# Altium PCB POWER_SUPPLY_20-100V(Relay).PcbDoc (continued)
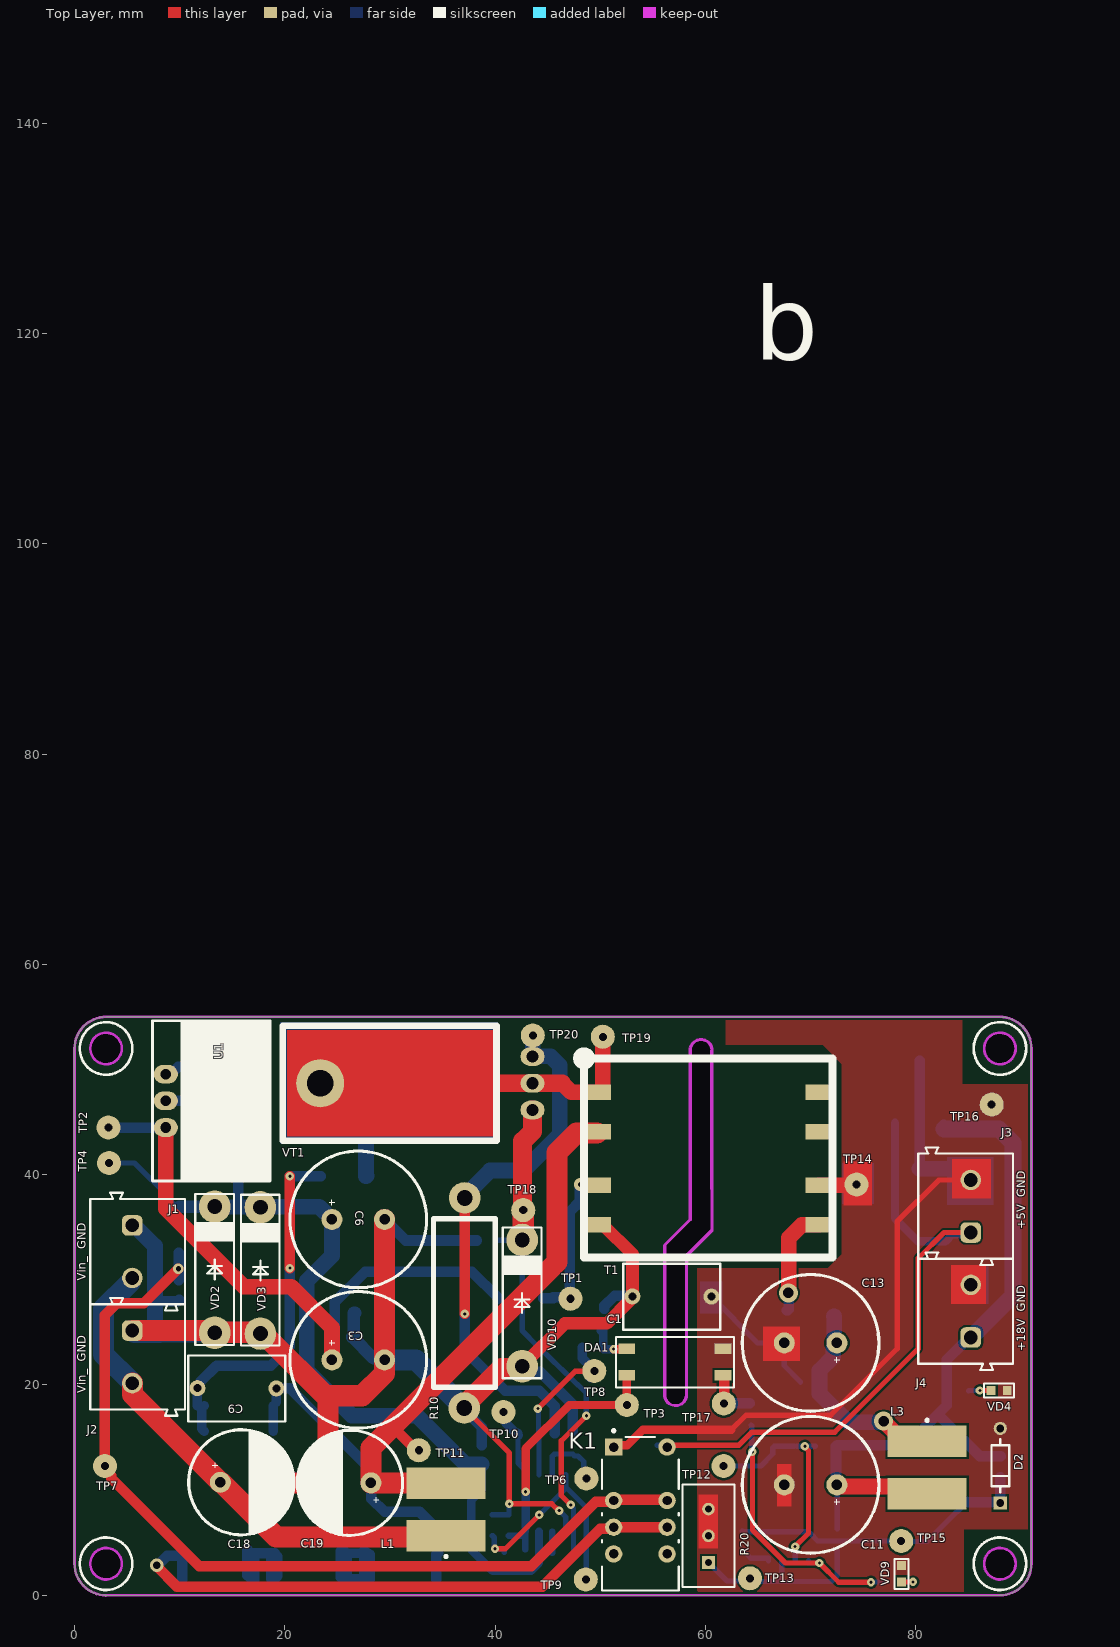
[diagram p0: Top Layer view]
## Footprints (in the part's own frame and the unit in brackets; to place one, negate y for a bottom-side part, rotate by r counter-clockwise, add the part's x,y. Pads: shape width x height; smd on the part's side, far side on the other; paste and mask are expansions set on the pad) (continued)
LED-0603 [mm]
  rect 0.85x0.9 smd: 1(-0.775,0) 2(0.775,0)
  silkscreen extent -1.43,-0.67 1.45,0.67, body extent -0.83,-0.36 0.82,0.36, height 0.68
RES-2W [mm]
  round 3 hole 1.5: 1(-9.875,0.025) 2(10.1,-0.025)
  silkscreen extent -7.9,-2.93 8.13,2.95, body extent -9.86,-2.78 10.01,2.78, height 5.59
RES-0805 [mm]
  rect 0.8x1.25 smd mask+0.015: 1(-1,0) 2(1,0)
  silkscreen extent -1.52,-0.76 1.52,0.76, body extent -1,-0.62 1,0.63, height 0.6
RES-1206 [mm]
  rect 1x1.6 smd: 1(-1.6,0) 2(1.6,0)
  silkscreen extent -2.29,-1.02 2.29,1.02, body extent -1.6,-0.8 1.6,0.8, height 0.6
RES-2512 [mm]
  rect 1.8x1.45 smd: 1(-3.275,-1.225) 1(-3.275,1.225) 2(3.275,-1.225) 2(3.275,1.225)
  silkscreen extent -4.28,-2.05 4.25,2.05, body extent -3.2,-1.6 3.2,1.6, height 0.6
SOIC8-150 [mm]
  rect 1.5x0.6 smd: 1(-2.7,1.905) 2(-2.7,0.635) 3(-2.7,-0.635) 4(-2.7,-1.905) 5(2.7,-1.905) 6(2.7,-0.635) 7(2.7,0.635) 8(2.7,1.905)
  silkscreen extent -3.65,-2.55 3.65,2.55, body extent -3,-2.45 3,2.45, height 1.75
SOT-223-3 [mm]
  rect 0.95x1.9 smd: 1(-2.3,-3.05) 2(0,-3.05) 3(2.3,-3.05)
  rect 3.25x1.9 smd: 2(0,3.05)
  silkscreen extent -3.3,-4.2 3.3,4.2, body extent -3.25,-3.5 3.25,3.5, height 1.7
Test_Point#1 [mil]
  round 90 hole 30 paste+4 mask+4: 1(0,0)
Test_Point#2 [mil]
  round 90 hole 30 unplated paste+4 mask+4: 1(0,0)
TL431_SOT-23-3(MGF) [mm]
  rect 0.9x0.8 smd paste+0 mask+0: 1(-1,0.95) 2(-1,-0.95) 3(1,0)
  silkscreen extent -0.7,-1.5 0.7,1.5, body extent -1.2,-1.45 1.2,1.45, height 1.1
TO-220(bend2) [mil]
  oval 70x90 hole 45: 1(-90,-440) 2(10,-440) 3(110,-440)
  round 180 hole 100: 2(10,355)
  Top Layer region: -190.02,-300 209.98,-300 209.98,480 -190.02,480
  Bottom Layer region: -215.02,-310 239.98,-310 239.98,505 -215.02,505
  silkscreen extent -205,-305 225,495, body extent -185,-446 208,476, height 179
TO-220_Bended_Rad [mil]
  oval 70x90 hole 40: 1(-120,-120) 2(-20,-120) 3(80,-120)
  round 110 hole 55: 2(-20,130)
  silkscreen extent -320,-170 280,270, body extent -315,-165 275,265, height 997
TRANS_RM6 [mm]
  rect 2.5x1.5 smd: 1(-10.5,6.3) 2(-10.5,2.54) 3(-10.5,-2.54) 4(-10.5,-6.3) 5(10.5,-6.3) 6(10.5,-2.54) 7(10.5,2.54) 8(10.5,6.3)
  silkscreen extent -12.51,-9.4 11.81,10.22, body extent -11,-9.08 11,9.08, height 12.68
V23079-A1001-B301 [mm]
  rect 1.65x1.65 hole 0.9 paste-1000 mask+0: 1(-6.35,-2.54)
  round 1.65 hole 0.9 paste-1000 mask+0: 2(-1.27,-2.54) 3(1.27,-2.54) 4(3.81,-2.54) 5(3.81,2.54) 6(1.27,2.54) 7(-1.27,2.54) 8(-6.35,2.54)
  silkscreen extent -8.02,-3.65 7.3,3.65, body extent -7.4,-3.75 7.4,3.75, height 0.25
WE-PD2_7850 [mm] "SMD Power Inductor, 2-Leads, body 7.8x7mm"
  rect 3x7.5 smd: 1(-2.5,0) 2(2.5,0)
  silkscreen extent -4.59,-0.13 -4.34,0.12, body extent -3.81,-3.5 3.81,3.5, height 4.95

## Part data
C2 C5 C8 C10 C12: library part CMP-1036-04552-2, "CAP CER 0.22UF 50V X7R 0805", Capacitance="0.22 μF", Manufacturer=KEMET, Manufacturer Part Number=C0805C224K5RACTU, Package=C0805C-DN, Temperature="-55°C to +125°C", Temperature Characteristic=X7R, Temperature Coefficient=30ppm/°C, Temperature Range High=+125°C, Temperature Range Low=-55°C, Tolerance=0.1, Voltage Rating="50 V", Automotive=No, Category=Cap, ComponentLink2Description=Datasheet, ComponentLink2URL=https://content.kemet.com/datasheets/KEM_C1003_C0G_SMD.pdf, Device Class L1="Passive Components", Device Class L2=Capacitors, Device Class L3="Ceramic Capacitors", Digikey Description="CAP CER 0.22UF 50V X7R 0805", Height=0.88mm, Ipc Land Pattern Name=CAPC200125X78, Lead Free=Yes, Material=Ceramic, Mouser Description="CAP CER 0.22UF 50V X7R 0805", Octopart=https://octopart.com/c0805c224k5ractu-kemet-144670, RoHS=TRUE
C3: library part CAP-POLAR, "1000uF_50V  12x25(13x26mm)"
C7 C14 C15 C16 C17: library part CAP-NON-POLAR
C11 C13: library part CAP-POLAR
D1: library part 1N4148, "Fast Switching Diode, 100 V, 0.15 A, -65 to 150 degC, 2-Pin?SOD123, RoHS, Tape and Reel", If - Forward Current=0.15A, Ir - Reverse Current=1uA, Manufacturer=DiodesIncorporated, Max Surge Current=2A, Maximum Operating Temperature=+150C, Minimum Operating Temperature=-65C, Operating Temperature Range=-65Cto+150C, Package / Case=SOD-123, Package Reference=SOD123-2, Peak Reverse Voltage=100V, Vf - Forward Voltage=1.25V, Brand=DiodesIncorporated, Configuration=Single, Datasheet URL=http://www.farnell.com/datasheets/1915529.pdf, Datasheet Version="Rev. 24-2, 10/2013", Factory Pack Quantity=3000, Height=1.25mm, Length=2.85mm, Manufacturer URL=http://www.diodes.com/, Mounting Style=SMD/SMT, Package URL=http://www.diodes.com/datasheets/ds18004.pdf, Packaging=Reel, Product=SwitchingDiodes, Product Category=Diodes-GeneralPurpose,Power,Switching, Recovery Time=4ns, RoHS=True, Series=1N4148, Type=SwitchingDiode, Unit Weight=0.000353oz, Width=1.7mm
D2: library part CMP-02541-000026-1, "DIODE ZENER 8.2V 500MW DO35", Case/Package=DO-35, Max Operating Temperature=175°C, Max Power Dissipation=500mW, Max Reverse Leakage Current=100nA, Min Operating Temperature=-65°C, Package Quantity=30000, Test Current=5mA, Tolerance=2%, Zener Voltage=8.2V, Contact Plating=Tin, Element Configuration=Single, ESD Protection=No, Impedance=7R, Lead Free="Lead Free", Mount="Through Hole", Number of Pins=2, Packaging="Ammo Pack", Power Dissipation=500mW, Radiation Hardening=No, RoHS Compliant=Yes, Series="Automotive, AEC-Q101", Voltage Tolerance=2%
J1 J2 J3 J4: "WR-TBL Series 101 Horizontal Entry Modular, THT, pitch 5mm, 2p", Manufacturer="Wurth Elektronik", Operating Temperature Max=105°C, Operating Temperature Min=-40°C, Rated Current=16A, Working Voltage=250V, Application="Pressure Clamp", Category="Terminal Blocks", ComponentLink1Description="Website Link", ComponentLink1URL=https://www.we-online.com/redexpert/article/691101710002?ad, ComponentLink2Description="Datasheet Link", ComponentLink2URL=https://www.we-online.com/redexpert/spec/691101710002?ad, Manufacturer Part Number=691101710002, Match Code=WR-TBL, Modularity=Yes, Mount="Through Hole", Number of Pins=2, Number of Rows=1, Orientation=Horizontal, Packaging=Box, Pitch=5mm
L1 L3: library part 744775247, "WE-PD2 SMT Power Inductor, size 7850, 470µH, 0.36A, 1.96Ω", Case/Size Code=7850, DC Resistance=1.37Ω, DC Resistance Max=1.96Ω, Inductance=470µH, Manufacturer="Wurth Elektronik", Operating Temperature Max=125°C, Operating Temperature Min=-40°C, Rated Current=0.36A, Saturation Current=0.38A, Self Resonant Frequency=3.4MHz, Category="Unshielded Power Inductors", ComponentLink1Description="Website Link", ComponentLink1URL=https://www.we-online.com/redexpert/article/744775247?ad, ComponentLink2Description="Datasheet Link", ComponentLink2URL=https://www.we-online.com/redexpert/spec/744775247?ad, Height=4.95mm, Length=7.8mm, Manufacturer Part Number=744775247, Match Code=WE-PD2, Mount="Surface Mount", Packaging="Tape and Reel", Width=7mm
R1 R2 R4 R5 R6 R7 R8 R9 R10 R11 R12 R15 R17 R18 R19 R23 R24: library part RES-CONST
R3 R21 R22: library part RES-CONST, "1K"
RG1: "REG IC REG LINEAR 5V 1A TO220AB", Current-Output=1A, Digikey Part Number=LM7805CT-ND, Manufacturer=Fairchild, Mouser Part Number=512-LM7805CT, Package=TO220, Temperature="-40°C to +125°C", Temperature Range High=+125°C, Temperature Range Low=-40°C, Voltage - Input (Max)=35V, Voltage - Output=5V, Voltage Dropout (Max)="2V @ 1A (Typ)", ComponentLink1Description=Upverter, ComponentLink1URL=https://upverter.com/upn/revision/b27a7358b7dd93a3/, ComponentLink2Description=Datasheet, ComponentLink2URL=https://www.fairchildsemi.com/datasheets/LM/LM7805.pdf, Digikey Description="REG IC REG LINEAR 5V 1A TO220AB", helpURL=https://upverter.com/upn/revision/b27a7358b7dd93a3/, Ipc Land Pattern Name=TO-220, Lead Free=yes, Part Number=LM7805CT, Price=0.384521982769, RoHS=TRUE, Supplier 1=Digi-Key, Supplier 2=Mouser, Supplier Part Number 1=LM7805CT-ND, Supplier Part Number 2=512-LM7805CT
T1: library part Trans_RM6
TP1 TP2 TP3 TP4 TP6 TP7 TP8 TP9 TP10 TP11 TP12 TP13 TP14 TP15 TP16 TP17 TP18 TP19 TP20: library part TP_PCB?, "Test_Point"
U2: library part CMP-1310-00291-2, "IC OPAMP GP 2 CIRCUIT 8SOIC", Case/Package=SOIC, Dual Supply Voltage=9V, Input Bias Current=250nA, Input Offset Voltage (Vos)=7mV, Max Dual Supply Voltage=16V, Max Operating Temperature=70°C, Max Supply Voltage=32V, Min Dual Supply Voltage=1.5V, Min Operating Temperature=0°C, Min Supply Voltage=3V, Nominal Supply Current=1.2mA, Operating Supply Current=1.5mA, Output Current=40mA, Package Quantity=2500, Power Supply Rejection Ratio (PSRR)=65dB, Voltage Gain=100dB, Bandwidth=1MHz, Common Mode Rejection Ratio=65dB, Contact Plating=Tin, Gain Bandwidth Product=1MHz, Halogen Free="Halogen Free", Height=1.5mm, Lead Free="Lead Free", Length=5mm, Number of Amplifiers=2, Number of Channels=2, Number of Circuits=2, Number of Elements=2, Number of Pins=8, Operating Supply Voltage=16V, Output Current per Channel=40mA, Packaging="Tape and Reel", Radiation Hardening=No, REACH SVHC="No SVHC", Slew Rate=0.6V/µs, Width=4mm
U3: library part TL431_SOT-23-3, "TL431_SOT-23-3"
VD10: library part ZENER

## Via types
v1: diameter 0.8, hole 0.3, Top Layer to Bottom Layer, tented both sides, 19 vias
v2: diameter 1.8, hole 1, Top Layer to Bottom Layer, tented both sides, 2 vias
v3: diameter 1.27, hole 0.711, Top Layer to Bottom Layer, tented both sides, 1 vias
v4: diameter 1.2, hole 0.5, Top Layer to Bottom Layer, tented both sides, 1 vias
v5: diameter 1, hole 0.5, Top Layer to Bottom Layer, tented both sides, 1 vias

## Nets (pads, with @x,y where several pads share a name; then routed paths per layer and width w, separated by ;. In a path a pad name is that pad's centre, name@x,y a point inside that pad or via, vN(x,y) a via of type N, cw(c..) or ccw(c..) an arc to the next point about the centre after c; other vN are vias at no path point)
+20V: C11.1 C17.2 J4.1 L3.2 R18.1 R19.2 R21.2 R22.2 RG1.1 | length 71.4
  Top Layer w1.5: C11.1 72.596,10.404 72.949,10.404 73.006,10.348 80.396,10.348 L3.2
  Bottom Layer w0.5: R21.2@72.542,6.314 C11.1@72.542,10.458
  Bottom Layer w1: C11.1@72.415,10.5 R19.2@72.415,14.173 ; R19.2 72.542,14.269 79.141,14.269 82.093,17.221 ; RG1.1 82.666,44.353 RG1.1@82.691,44.328 ; R18.1@82.956,19.331 82.956,18.085 82.093,17.221 ; R18.1@82.956,19.581 82.956,22.382 84.614,24.04 84.759,24.04 J4.1 ; R22.2 86.071,13.243 82.093,17.221
  Bottom Layer w1.6: RG1.1@82.691,44.328 87.93,44.328 89.234,43.023 89.234,28.515 J4.1
+100V: C9.2 C19.1 L1.2 R8.2 R17.1 T1.2 TP11.1 | length 85.9
  Top Layer w1: 30.257,16.027 32.492,13.792 TP11.1 ; L1.2@32.073,10.693 34.227,10.693 L1.2@35.276,9.644 ; T1.2@49.68,43.975 T1.2
  Top Layer w2: L1.2@32.073,10.693 C19.1 28.194,14.013 45.872,31.691 45.872,42.113 47.734,43.975 T1.2@49.68,43.975
  Bottom Layer w0.3: R17.1@18.896,18.04 R17.1@19.193,18.337
  Bottom Layer w0.9: R17.1@18.896,15.59 R17.1@18.896,18.04 ; R17.1@19.193,18.337 C9.2
  Bottom Layer w1: C9.2 20.472,19.669 28.053,12.088 28.053,10.834 28.225,10.662 28.225,9.189 29.489,7.925 32.808,7.925 34.527,6.206 R8.2@34.527,4.029 ; R8.2@34.419,1.504 34.419,3.879 R8.2@34.569,4.029
GND: C1.1 C2.2 C3.2 C5.2 C6.2 C7.1 C8.2 C14.1 C16.1 C18.2 C19.2 DA2.5 J1.1 J2.1 R1.1 R3.2 R9.2 R10.1 T1.4 VD2.2 VD3.2 VD10.2 | length 182.1
  Top Layer w0.5: R10.1 41.351,13.519 v1(41.351,8.694) 45.381,8.694 46.02,8.055 v1(46.101,8.055)
  Top Layer w1.2: R10.1 R10.1@37.059,17.984 ; VD10.2 46.638,25.855 50.62,25.855 52.899,28.134 52.899,28.173 53.061,28.335 C1.1 53.061,32.443 50.274,35.229 T1.4
  Top Layer w2: J2.1 13.126,25.171 VD2.2 VD2.2@13.373,24.924 ; VD2.2@13.385,25.013 VD3.2@17.552,25.013 ; VD3.2 17.899,24.886 18.449,24.336 18.513,24.336 23.876,18.974 ; C18.2 17.919,10.693 C19.2 24.105,10.783 24.105,18.46 ; 24.14,18.709 23.876,18.974 ; C6.2 C3.2 29.486,21.104 27.356,18.974 23.876,18.974 ; R10.1@37.059,17.984 40.622,21.546 42.329,21.546 VD10.2
  Bottom Layer w0.5: R10.1@37.059,17.627 R10.1 ; C16.1 39.728,7.657 41.298,7.657 C14.1 41.326,7.685 41.326,8.668 v1(41.351,8.694) ; VD10.2 VD10.2@43.099,21.259 ; v1(46.101,8.055) 46.711,7.445 DA2.5@46.711,6.218
  Bottom Layer w1: J2.1 5.86,25.171 5.975,25.286 7.171,25.286 7.645,25.761 ; 7.645,27.94 9.842,27.94 C8.2 ; VD3.2@17.536,25.029 VD3.2 ; C6.2 31.486,33.738 R9.2 ; R10.1@37.059,17.627 38.71,15.977 C5.2 ; VD10.2@43.099,21.259 44.267,21.259 47.403,18.124 C7.1@47.403,15.506 ; R3.2@50.399,27.262 50.399,27.541 51.357,28.499 52.984,28.499 C1.1
  Bottom Layer w1.2: R1.1 26.579,26.848 26.554,26.823 26.554,24.713 C2.2 26.428,24.561 28.452,22.537 29.333,22.537 C3.2
  Bottom Layer w1.5: J1.1 5.725,34.95 5.901,34.95 7.645,33.206 7.645,27.94 7.645,25.761
  Bottom Layer w2: J2.1 5.693,24.978 8.103,24.978 ; 8.052,25.029 13.335,25.029 VD3.2@17.536,25.029 ; C18.2 24.143,10.744 C19.2 ; C3.2 32.486,22.384 R10.1
GND_1: C1.2 C4.2 C10.2 C11.2 C12.2 C13.2 C17.1 C20.2 D1.2 D2.2 DA1.2 J3.2 J4.2 K1.1 R20.2 R20.3 RG1.2 T1.6 TP14.1 TP16.1 U2.4 U3.3 VD4.1 VD9.1 | length 87.8
  Top Layer w0.5: 62.481,15.748 63.853,17.12 71.907,17.12 78.232,23.444 78.232,35.535 82.194,39.497 J3.2
  Top Layer w0.8: K1.1@51.257,14.276 52.576,14.276 54.048,15.748 62.481,15.748
  Top Layer w1.5: T1.6 TP14.1@74.295,38.989
  Bottom Layer w0.5: K1.1@51.257,14.276 51.278,14.256 D1.2 ; C1.2 64.958,24 C13.2 67.5,21.846 69.051,20.295 C10.2 ; C12.2 63.517,4.317 64.305,3.529 65.969,3.529 65.989,3.509 U2.4 ; 83.858,40.559 84.921,39.497 J3.2
  Bottom Layer w1: C4.2 RG1.2@80.366,50.853
  Bottom Layer w1.5: C4.2 83.858,40.559
NetC2_1: C2.1 C3.1 R1.2 TP2.1 U1.3 VD1.1 | length 60.1
  Top Layer w1.5: U1.3 8.687,36.779 16.129,29.337 20.599,29.337 24.486,25.451 C3.1
  Bottom Layer w1: TP2.1 U1.3 ; C3.1 24.556,22.454 24.556,24.517 C2.1 24.727,24.688 24.727,26.848 24.727,27.86 27.652,30.785 37.78,30.785 40.242,28.323 VD1.1@40.242,28.211
NetC4_1: C4.1 D1.1 J3.1 K1.8 RG1.3 | length 60.8
  Top Layer w0.5: K1.8@56.337,14.276 63.187,14.276 64.424,15.513 72.293,15.513 80.234,23.455 80.234,32.052 82.679,34.497 J3.1
  Bottom Layer w0.5: D1.1 55.408,14.266 56.327,14.266 K1.8@56.337,14.276
  Bottom Layer w0.8: RG1.3@78.029,44.925 78.029,35.846 80.216,33.659 C4.1 82.817,33.659 83.509,34.352 85.089,34.352 J3.1
NetC5_1: C5.1 C6.1 DA2.7 TP4.1 VD2.1 VD3.1 VD5.1 VD7.1 | length 81.4
  Bottom Layer w0.5: TP4.1 5.715,41.097 9.006,37.806 9.006,37.638 9.681,36.963 VD5.1@9.85,36.963 ; VD5.1 VD5.1@9.981,36.963 ; C5.1@38.71,12.434 C5.1@38.735,12.46
  Bottom Layer w0.8: C5.1@38.71,12.434 38.71,9.997 37.719,9.007 37.719,4.364 39.76,2.323 43.411,2.323 44.171,3.083 DA2.7
  Bottom Layer w1: VD2.1 VD2.1@14.636,36.963 ; VD7.1@15.037,39.735 VD7.1@15.07,39.735 ; VD7.1@15.07,39.887 15.57,39.387 15.57,36.925 ; VD3.1@17.634,36.931 VD3.1
  Bottom Layer w1.2: VD5.1@9.981,36.963 VD2.1
  Bottom Layer w1.4: VD2.1@14.636,36.925 15.57,36.925 ; 15.57,36.931 VD3.1@17.634,36.931
  Bottom Layer w1.5: VD3.1@17.735,36.943 23.28,36.943 C6.1 24.486,32.286 22.094,29.894 22.094,21.366 26.388,17.071 32.574,17.071 37.186,12.46 C5.1@38.735,12.46
NetC7_2: C7.2 DA2.3 R7.1 TP6.1 | length 6.7
  Bottom Layer w0.5: DA2.3 45.441,13.256 45.591,13.406 R7.1 45.707,13.444 C7.2@47.396,13.444 ; C7.2 47.546,13.256 47.881,13.256 48.435,12.703 48.435,11.31 TP6.1@48.569,11.176
NetC8_1: C8.1 K1.2 K1.7 TP7.1 VD5.2 | length 86.2
  Top Layer w1: v5(9.881,31.043) 6.6,27.762 4.039,27.762 2.896,26.619 2.896,11.946 3.485,11.356 3.485,11.145 11.879,2.751 43.441,2.751 49.58,8.89 51.151,8.89 K1.2 ; K1.2@51.308,9.071 K1.7@56.388,9.071
  Bottom Layer w0.5: C8.1@9.906,29.958 C8.1
  Bottom Layer w1: C8.1@9.906,29.958 VD5.2
NetC9_1: C9.1 R17.2 VD6.1 | length 33.3
  Top Layer w1: v1(20.486,31.115) v1(20.486,39.853)
  Bottom Layer w0.9: R17.2@11.693,18.04 C9.1 ; R17.2@12.346,15.59 12.116,15.82 12.116,17.81 R17.2@12.346,18.04
  Bottom Layer w1: C9.1@12.026,20.357 13.506,21.838 18.663,21.838 20.486,23.661 v1(20.486,31.115) ; v1(20.486,39.853) VD6.1
NetC10_1: C10.1 C13.1 L3.1 VD8.1 | length 20.1
  Top Layer w1.5: v2(76.937,16.555) 76.938,16.555 78.827,14.667 L3.1
  Bottom Layer w1.5: VD8.1 72.238,26.533 C13.1@72.238,23.597 ; C13.1@72.248,23.571 72.153,23.476 72.153,22.674 70.855,21.375 70.855,20.272 C10.1 70.855,20.267 70.855,19.175 73.571,16.459 76.841,16.459 v2(76.937,16.555)
NetC12_1: C12.1 C20.1 D2.1 R22.1 TP15.1 U2.8 | length 30.9
  Bottom Layer w0.5: C12.1 63.565,6.045 69.799,6.045 ; U2.8 69.799,6.045 ; C20.1@84.708,8.769 84.708,8.692 83.931,7.915 83.887,7.915 81.077,5.105 78.667,5.105 TP15.1 70.685,5.159 69.974,5.871 69.799,6.045 ; D2.1 D2.1@88.055,8.788 ; R22.1@88.055,11.224 R22.1
  Bottom Layer w1: C20.1 84.854,8.842 87.963,8.842 D2.1 ; D2.1@88.055,8.788 R22.1@88.055,11.224
NetC14_2: C14.2 DA1.4 DA2.8 R5.2 TP3.1 | length 25.2
  Top Layer w0.8: v1(42.901,9.844) 42.901,13.945 47.054,18.098 TP3.1 DA1.4
  Bottom Layer w0.5: DA2.8 DA2.8@42.913,6.08
  Bottom Layer w0.6: C14.2 DA2.8@42.783,5.659 ; R5.2@42.863,4.362 42.863,5.659 DA2.8@42.863,6.03 ; DA2.8@42.901,6.456 42.913,6.443 DA2.8@42.913,6.08
  Bottom Layer w0.8: DA2.8@42.901,6.456 v1(42.901,9.844)
NetC15_1: C15.1 DA2.2 R4.2 R6.2 TP8.1 | length 15.5
  Top Layer w0.5: v1(44.07,17.75) 47.631,21.311 TP8.1@48.971,21.311
  Bottom Layer w0.5: v1(44.07,17.75) 44.125,17.696 44.125,15.269 R6.2 ; DA2.2 44.175,11.472 44.175,13.644 R6.2@44.175,15.214
  Bottom Layer w0.9: R4.2 48.274,22.556 49.009,21.822 49.009,21.704 TP8.1@48.793,21.488
  Bottom Layer w1: TP8.1@49.428,20.999 TP8.1
NetC15_2: C15.2 DA2.1 R6.1 TP10.1 | length 6.8
  Bottom Layer w0.5: R6.1 C15.2 C15.2@42.217,13.607 ; DA2.1@42.846,11.967 42.851,11.967 42.901,11.917 DA2.1
  Bottom Layer w0.6: C15.2@42.217,13.607 42.217,12.596 DA2.1@42.846,11.967
  Bottom Layer w0.9: TP10.1@40.488,16.907 40.938,16.907 41.058,16.788 41.058,16.337 42.005,15.389 42.13,15.389 42.13,15.264 R6.1
NetC16_2: C16.2 DA2.4 R5.1 TP9.1 | length 22.6
  Top Layer w0.5: v1(39.984,4.42) 40.971,4.42 v1(44.196,7.644)
  Bottom Layer w0.5: C16.2 39.777,5.655 39.927,5.505 39.927,4.477 v1(39.984,4.42) 40.042,4.362 40.713,4.362 40.863,4.212 R5.1 ; v1(44.196,7.644) 46.711,10.159 DA2.4 ; 46.711,10.282 48.674,8.319 TP9.1@48.674,1.392
NetC18_1: C18.1 J1.2 J2.2 L1.1 | length 47.9
  Top Layer w2: J2.2 5.5,19.113 C18.1 ; C18.1@13.979,10.744 19.186,5.537 L1.1@34.527,5.537
  Bottom Layer w1.5: J1.2@5.275,29.758 5.275,29.828 5.5,30.053 J1.2
  Bottom Layer w2: J1.2@5.275,29.758 2.769,27.252 2.769,22.903 J2.2
NetDA1_1: DA1.1 R24.1 TP17.1 | length 5.2
  Top Layer w1: DA1.1 61.798,20.904 TP17.1@61.798,18.287
  Bottom Layer w1: TP17.1@61.774,18.263 R24.1@64.213,18.263
NetDA1_3: DA1.3 R3.1 R4.1 | length 4.5
  Top Layer w0.8: v1(51.257,23.409) 52.626,23.409 DA1.3@52.688,23.471
  Bottom Layer w0.8: R3.1@50.049,25.162 R3.1 R4.1 ; R4.1@50.274,23.721 50.274,23.409 v1(51.257,23.409)
NetDA2_6: DA2.6 R15.1 | length 2
  Bottom Layer w0.6: R15.1 45.441,4.354 DA2.6
NetK1_3: K1.3 K1.6 R12.1 | length 57.8
  Top Layer w0.3: v3@7.823,2.751 v3(7.823,2.845)
  Top Layer w1: v3@7.823,2.751 9.749,0.825 44.485,0.825 50.006,6.346 50.688,6.346 50.691,6.35 51.162,6.35 K1.3@51.283,6.47 ; K1.3@51.369,6.47 K1.6@56.327,6.47
  Bottom Layer w0.3: v3(7.823,2.845) v3@7.927,2.845 ; R12.1@9.667,3.401 R12.1@10.242,3.976
  Bottom Layer w1: v3@7.927,2.845 7.927,2.876 7.948,2.896 7.979,2.896 8.834,3.751 10.017,3.751 R12.1@10.222,3.956 ; R12.1@10.242,1.526 R12.1@10.242,3.976
NetR2_1: R2.1 U1.1 | length 3
  Bottom Layer w1: U1.1 9.162,49.555 9.873,50.266 R2.1
NetR2_2: R2.2 U1.2 VD7.2 | length 9.5
  Bottom Layer w1: U1.2@8.687,47.015 R2.2@11.252,47.015 ; R2.2@11.252,47.092 11.354,46.99 U1.2@15.011,46.99 ; U1.2@15.037,47.015 15.239,46.813 15.239,44.239 VD7.2
NetR7_2: R7.2 R10.2 TP20.1 VT1.3 | length 51
  Top Layer w1: v1(37.109,26.756) R10.2
  Bottom Layer w1: v1(37.109,26.756) 37.109,23.303 40.981,19.431 44.196,19.431 45.669,17.958 R7.2
  Bottom Layer w1.5: R10.2 37.109,37.973 39.522,40.386 42.735,40.386 46.152,43.803 46.152,50.376 45.273,51.255 43.58,51.255 VT1.3@43.568,51.243 ; VT1.3 VT1.3@43.568,51.243 ; TP20.1 43.568,53.227 VT1.3@43.568,51.243
NetR8_1: R8.1 R11.2 | length 17
  Bottom Layer w0.3: R8.1@28.116,1.467 R8.1@28.169,1.52 ; R8.1@28.116,3.917 R8.1@28.169,3.97
  Bottom Layer w0.9: R11.2@25.58,1.526 25.607,1.553 27.843,1.553 R8.1@27.869,1.579 ; R11.2@25.58,3.976 25.607,4.003 27.843,4.003 R8.1@27.869,4.029 ; R8.1@28.116,1.467 R8.1@28.116,3.917
  Bottom Layer w1: R11.2@25.301,1.714 R11.2@25.301,4.164 ; R11.2@25.633,1.755 R11.2@25.633,4.205 ; R11.2@25.893,1.263 R11.2@25.893,3.713 ; R8.1@27.533,1.786 R8.1@27.533,4.236
NetR9_1: R9.1 R15.2 TP18.1 VD10.1 VT1.1 | length 48.6
  Top Layer w0.5: v1(47.194,8.597) 46.292,9.499 46.292,14.688 v1(48.674,17.071)
  Top Layer w1.8: TP18.1@42.621,36.677 42.621,43.18 43.557,44.116 VT1.1
  Top Layer w2: VD10.1@42.674,33.813 TP18.1
  Bottom Layer w0.5: R9.1@40.116,33.782 R9.1@40.161,33.738 ; R9.1 40.293,33.763 42.545,33.763 VD10.1 42.57,25.19 44.008,23.713 44.014,23.708 44.018,23.704 48.521,19.376 48.674,19.223 v1(48.674,17.071) ; v1(47.194,8.597) 47.194,8.515 47.461,8.249 R15.2@47.461,4.283
NetR11_1: R11.1 R12.2 | length 14.3
  Bottom Layer w0.9: R11.1@19.03,1.526 19.053,1.526 19.328,1.801 R11.1@19.328,3.701
  Bottom Layer w1: R12.2@16.436,1.91 R12.2@16.436,4.36 ; R12.2@16.792,1.526 16.792,3.976 R11.1@19.03,3.976 ; R12.2@17.097,1.473 R12.2@17.097,3.923 ; R11.1@18.708,1.552 R11.1@18.708,4.002
NetR18_2: R18.2 VD4.2 | length 2.1
  Top Layer w0.5: v1(86.104,19.474) VD4.2
  Bottom Layer w0.5: R18.2 85.041,19.474 86.012,19.474 v1@86.03,19.491
NetR19_1: R19.1 TP12.1 U2.2 U3.1 U3.2 | length 21.1
  Top Layer w0.5: v1(68.529,4.623) 69.799,5.893 69.799,13.744 69.452,14.092 v1(69.452,14.173)
  Bottom Layer w0.5: TP12.1 65.27,12.294 66.403,13.426 66.403,14.023 U3.1 U3.2 ; U2.2 v1(68.529,4.623) ; U3.2@68.707,14.173 v1(69.452,14.173) R19.1
NetR20_1: R20.1 R21.1 TP13.1 U2.3 | length 17.7
  Bottom Layer w0.5: R20.1 62.048,1.357 TP13.1@64.237,1.357 ; TP13.1@64.237,1.51 64.426,1.321 67.234,1.321 ; U2.3@67.259,3.364 67.251,3.356 67.251,1.338 67.234,1.321 ; R21.1 72.543,1.879 71.985,1.321 67.234,1.321
NetR23_1: R23.1 R24.2 U2.1 | length 25.7
  Top Layer w0.5: v1(64.465,13.64) 64.465,6.223 67.614,3.074 v1(70.838,3.074) 72.671,1.24 v1(75.743,1.24) v1@75.768,1.24
  Bottom Layer w0.5: R24.2 64.408,16.13 64.408,13.697 v1(64.465,13.64) ; U2.1 69.799,3.096 69.821,3.074 v1(70.838,3.074) ; v1(75.743,1.24) 75.76,1.257 76.783,1.257 R23.1
NetR23_2: R23.2 VD9.2 | length 2.1
  Top Layer w0.5: VD9.2@78.684,1.246 78.707,1.268 79.73,1.268 v1(79.736,1.274)
  Bottom Layer w0.5: R23.2 78.823,1.298 79.784,1.298 v1@79.807,1.321
NetT1_1: T1.1 TP19.1 VD6.2 VT1.2 | length 38.2
  Top Layer w1.5: 46.38,48.692 47.243,47.829 T1.1@50.274,47.829 ; T1.1@50.241,47.829 TP19.1
  Top Layer w1.7: VT1.2@23.364,48.692 46.38,48.692
  Bottom Layer w1.5: 27.728,45.466 VD6.2 VD6.2@27.762,39.887
NetT1_3: T1.3 TP1.1 VD1.2 | length 15.5
  Top Layer w1: v4(48.108,39.065) 48.146,39.027 49.736,39.027 T1.3
  Bottom Layer w1: VD1.2 VD1.2@45.517,28.256 ; VD1.2@45.517,28.327 TP1.1@47.125,28.327 ; TP1.1@47.092,28.264 47.092,36.465 48.069,37.443 48.069,39.027 v4(48.108,39.065)
NetT1_5: T1.5 VD8.2 | length 10.5
  Top Layer w1.5: v2@67.929,28.66 67.929,33.969 69.189,35.229 T1.5
  Bottom Layer w1: VD8.2@67.735,27.086 67.805,27.086 67.911,27.193 67.911,28.736 v2(67.894,28.753)
pads on no net: K1.4 K1.5 T1.7 T1.8 U2.5 U2.6 U2.7

## Polygon pours and split planes (outlines as drawn)
GND_1 on Top Layer "NONET_L-01_P-001" (solid, pour order 1): 59.233,0.038 59.233,0.53 59.233,31.09 71.645,31.09 72.974,32.419 72.974,50.521 71.145,52.349 61.951,52.349 61.951,54.813 84.404,54.813 84.404,48.63 84.455,48.579 90.83,48.579 90.83,6.375 90.727,6.272 84.545,6.272 84.545,0.038 84.504,-0.003
GND_1 on Bottom Layer "NONET_L-01_P-001" (solid, pour order 0): 59.233,0.038 59.233,0.53 59.233,31.166 71.653,31.166 72.983,32.495 72.983,50.563 71.546,52 61.951,52 61.951,54.813 84.404,54.813 84.404,48.63 84.455,48.579 90.83,48.579 90.83,6.375 90.727,6.272 84.545,6.272 84.545,0.038 84.504,-0.003

## Keep-outs
Keep-Out Layer:
  circle w0.254: c88,3 r1.5
  circle w0.254: c3,52 r1.5
  circle w0.254: c88,52 r1.5
  circle w0.254: c3,3 r1.5
  lines w0.254: 0,2.999 0,52 cw(c3,52) 3,55 88,55 cw(c88,52) 91,52 91,3 cw(c88,3) 88,0 ; 0,3 ccw(c3,3) 3,0 ; 2.986,-0.022 88.036,-0.002 ; 58.159,19.044 cw(c57.159,19.044) 56.159,19.044 56.159,33.299 58.585,35.725 58.585,36 58.585,40.359 ; 58.165,19.046 58.165,30.82 58.172,32.314 60.585,34.728 60.585,35.408 ; 58.583,37.92 58.583,51.82 ; 58.585,51.84 cw(c59.585,51.84) 60.585,51.84 ; 60.581,38.672 60.581,51.772 ; 60.585,35.036 60.585,41.269

## Other copper
Top Layer:
  rectangle net GND_1: 59.323,4.445 61.204,9.601
  rectangle net GND_1: 66.794,8.433 68.189,12.473
  rectangle net GND_1: 65.488,22.301 69.01,25.552
  rectangle net GND_1: 83.337,27.693 86.671,31.394
  rectangle net GND_1: 83.423,37.732 87.147,41.499
  rectangle net GND_1: 73.127,37.059 75.844,41.25
  rectangle net GND_1: 83.972,28.092 86.5,31.049
  pour cut-out: 96.139,146.71 96.139,127.162 71.45,127.203 71.45,146.71
  pour cut-out: 84.608,6.197 84.608,-0.022 91,-0.022 91,6.272
  pour cut-out: 91,55.006 91,48.579 84.506,48.579 84.506,54.993
Bottom Layer:
  rectangle net GND_1: 59.487,26.797 61.62,29.82
  rectangle net GND_1: 83.423,27.693 86.919,31.267
  rectangle net GND_1: 82.967,37.109 87.401,41.681
  rectangle net GND_1: 72.983,37.186 76.022,41.123
  rectangle net GND_1: 83.972,28.346 86.452,30.736
  rectangle net GND_1: 83.972,39.399 86.449,41.685
  pour cut-out: 84.605,0 84.605,6.272 91,6.272 91,0
  pour cut-out: 84.46,55 84.46,48.579 91,48.579 91,55

## Silkscreen, mask and mechanical layers (free items; w line width, h text height)
Top Overlay:
  circle w0.254: c88,3 r2.5
  circle w0.254: c3,52 r2.5
  circle w0.254: c88,52 r2.5
  circle w0.254: c3,3 r2.5
  text "b" at 64.618,115.214 h12
  text "+5V  GND" at 90.399,34.803 h0.8 r90
  text "Vin_  GND" at 1.061,29.921 h0.8 r90
  text "+18V  GND" at 90.399,23.221 h0.8 r90
  text "Vin_  GND" at 1.086,19.228 h0.8 r90